# Altium PCB DM1090FFC.PcbDoc (part 4 of 4)
Units mm, origin at the board's own origin, x right, y up, seen from the top; angles counter-clockwise.
Board outline 60 x 40 mm, 4 copper layers (Top Copper, Signal Layer 1, Layer 1, Bottom Layer), stack 1.602 mm thick; 129 components, 113 nets, 573 pads, 444 vias.
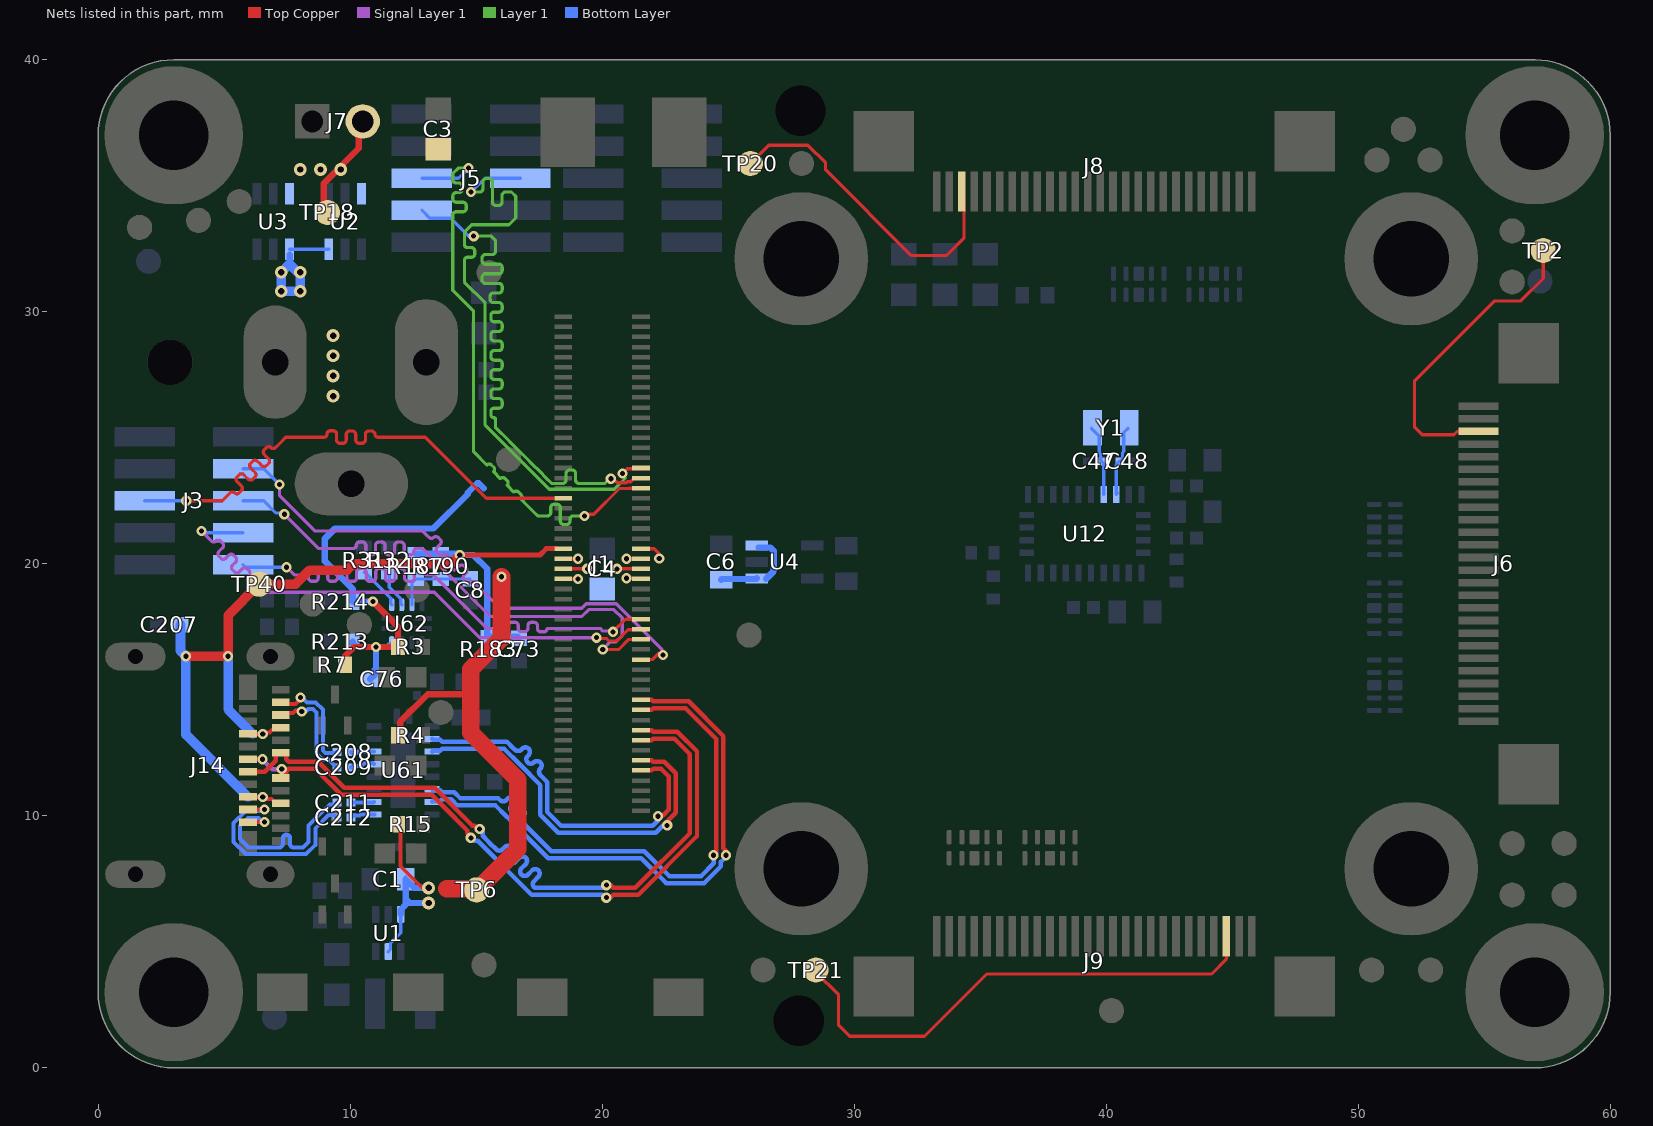
[diagram p6: the nets of this part, all layers, seen from the top]

## Via types
v1: diameter 0.406, hole 0.203, Top Copper to Bottom Layer, tented both sides, 378 vias
v2: diameter 0.508, hole 0.254, Top Copper to Bottom Layer, tented both sides, 47 vias
v3: diameter 0.508, hole 0.254, Top Copper to Bottom Layer, 16 vias
v4: diameter 0.406, hole 0.203, Top Copper to Bottom Layer, 3 vias

## Nets (pads, with @x,y where several pads share a name; then routed paths per layer and width w, separated by ;. In a path a pad name is that pad's centre, name@x,y a point inside that pad or via, vN(x,y) a via of type N, cw(c..) or ccw(c..) an arc to the next point about the centre after c; other vN are vias at no path point) (continued)
SD_HST0_CMD: J1.63 J3.5 | length 22.7
  Top Copper w0.127: v1(3.5,22.5) 4.926,22.5 5.061,22.635 5.245,22.819 cw(c5.33,22.733) 5.415,22.819 ccw(c5.51,22.913) 5.604,22.819 5.685,22.9 ccw(c5.59,22.994) 5.685,23.088 5.599,23.174 5.514,23.259 cw(c5.608,23.353) 5.514,23.447 5.595,23.528 cw(c5.689,23.434) 5.783,23.528 5.869,23.443 5.954,23.358 ccw(c6.048,23.452) 6.143,23.358 6.223,23.438 ccw(c6.129,23.533) 6.223,23.627 6.138,23.712 6.053,23.798 cw(c6.147,23.892) 6.053,23.986 6.134,24.067 cw(c6.228,23.973) 6.322,24.067 6.408,23.982 6.493,23.896 ccw(c6.587,23.991) 6.681,23.896 6.762,23.977 ccw(c6.668,24.072) 6.762,24.166 6.677,24.251 6.592,24.336 cw(c6.686,24.431) 6.592,24.525 6.672,24.606 cw(c6.767,24.512) 6.861,24.606 ccw(c6.946,24.691) 7.032,24.606 7.2,24.774 7.449,25.023 8.89,25.023 8.96,25.023 ccw(c8.96,25.143) 9.08,25.143 cw(c9.214,25.143) 9.214,25.277 9.328,25.277 cw(c9.328,25.143) 9.461,25.143 9.461,25.023 9.461,24.913 ccw(c9.595,24.913) 9.595,24.78 9.709,24.78 ccw(c9.709,24.913) 9.842,24.913 9.842,25.023 9.842,25.132 cw(c9.976,25.132) 9.976,25.266 10.09,25.266 cw(c10.09,25.132) 10.223,25.132 10.223,25.023 10.223,24.913 ccw(c10.357,24.913) 10.357,24.78 10.471,24.78 ccw(c10.471,24.913) 10.604,24.913 10.604,25.023 10.604,25.132 cw(c10.738,25.132) 10.738,25.266 10.852,25.266 cw(c10.852,25.132) 10.985,25.132 ; 10.985,25.135 10.985,25.141 ; 10.985,25.143 ccw(c11.106,25.143) 11.106,25.023 11.35,25.023 12.984,25.023 15.407,22.6 J1.63@18.46,22.6
  Bottom Layer w0.127: J3.5@1.85,22.5 v1(3.5,22.5)
SD_HST0_D0: J1.40 J3.2 | length 22.8
  Top Copper w0.127: v1(20.425,17.3) 20.925,17.8 J1.40@21.54,17.8 J1.40@21.565,17.8
  Signal Layer 1 w0.127: v1(7.474,19.863) 7.779,19.558 7.969,19.558 8.23,19.558 cw(c8.23,19.437) 8.35,19.437 ccw(c8.484,19.437) 8.484,19.304 8.598,19.304 ccw(c8.598,19.437) 8.731,19.437 8.731,19.558 8.731,19.678 cw(c8.865,19.678) 8.865,19.812 8.979,19.812 cw(c8.979,19.678) 9.112,19.678 9.112,19.558 9.112,19.437 ccw(c9.246,19.437) 9.246,19.304 9.36,19.304 ccw(c9.36,19.437) 9.493,19.437 9.493,19.558 9.493,19.678 cw(c9.627,19.678) 9.627,19.812 9.741,19.812 cw(c9.741,19.678) 9.874,19.678 9.874,19.558 9.874,19.437 ccw(c10.008,19.437) 10.008,19.304 10.122,19.304 ccw(c10.122,19.437) 10.255,19.437 10.255,19.558 10.255,19.678 cw(c10.389,19.678) 10.389,19.812 10.503,19.812 cw(c10.503,19.678) 10.636,19.678 10.636,19.558 10.636,19.437 ccw(c10.77,19.437) 10.77,19.304 10.884,19.304 ccw(c10.884,19.437) 11.017,19.437 11.017,19.558 11.017,19.678 cw(c11.151,19.678) 11.151,19.812 11.265,19.812 cw(c11.265,19.678) 11.398,19.678 11.398,19.558 11.398,19.437 ccw(c11.532,19.437) 11.532,19.304 11.646,19.304 ccw(c11.646,19.437) 11.779,19.437 11.779,19.558 11.779,19.678 cw(c11.913,19.678) 11.913,19.812 12.027,19.812 cw(c12.027,19.678) 12.16,19.678 12.16,19.558 12.16,19.437 ccw(c12.294,19.437) 12.294,19.304 12.408,19.304 ccw(c12.408,19.437) 12.541,19.437 12.541,19.558 12.541,19.678 cw(c12.675,19.678) 12.675,19.812 12.789,19.812 cw(c12.789,19.678) 12.922,19.678 ccw(c13.043,19.678) 13.043,19.558 13.1,19.558 13.298,19.558 15.419,17.437 16.1,17.437 16.181,17.437 ccw(c16.181,17.546) 16.291,17.546 cw(c16.424,17.546) 16.424,17.68 16.538,17.68 cw(c16.538,17.546) 16.672,17.546 16.672,17.437 16.672,17.433 ccw(c16.805,17.433) 16.805,17.3 16.919,17.3 ccw(c16.919,17.433) 17.053,17.433 17.053,17.437 17.053,17.544 cw(c17.186,17.544) 17.186,17.677 17.3,17.677 cw(c17.3,17.544) 17.434,17.544 17.434,17.437 17.434,17.433 ccw(c17.567,17.433) 17.567,17.3 17.681,17.3 ccw(c17.681,17.433) 17.815,17.433 17.815,17.437 18.701,17.437 19.925,17.437 20.031,17.33 20.395,17.33 v1(20.425,17.3)
  Bottom Layer w0.127: J3.2@5.75,19.96 5.847,19.863 v1(7.474,19.863)
SD_HST0_D1: J1.38 J3.4 | length 22.8
  Top Copper w0.127: v1(19.772,17.068) 19.803,17.038 20.166,17.038 20.272,16.932 20.578,16.932 21.024,17.379 21.544,17.379 J1.38@21.565,17.4
  Signal Layer 1 w0.127: v1(4.1,21.3) 4.45,20.95 4.499,20.901 ccw(c4.585,20.986) 4.67,20.901 cw(c4.764,20.806) 4.859,20.901 4.939,20.82 cw(c4.845,20.725) 4.939,20.631 4.854,20.546 4.793,20.485 ccw(c4.888,20.391) 4.793,20.297 4.874,20.216 ccw(c4.968,20.31) 5.063,20.216 5.124,20.276 5.184,20.337 cw(c5.279,20.243) 5.373,20.337 5.454,20.256 cw(c5.359,20.162) 5.454,20.068 5.393,20.007 5.332,19.946 ccw(c5.426,19.852) 5.332,19.758 5.413,19.677 ccw(c5.507,19.771) 5.602,19.677 5.662,19.738 5.723,19.798 cw(c5.817,19.704) 5.912,19.798 5.992,19.718 cw(c5.898,19.623) 5.992,19.529 ; 5.998,19.534 6.012,19.548 ; 6.017,19.554 ccw(c6.102,19.468) 6.017,19.383 6.072,19.328 6.532,18.868 13.336,18.868 15.136,17.068 v1(19.772,17.068)
  Bottom Layer w0.127: v1(4.1,21.3) 4.16,21.3 4.23,21.23 J3.4@5.75,21.23
SD_HST0_D2: J1.36 J3.6 | length 22.8
  Top Copper w0.127: v1(20.025,16.6) 20.654,16.6 21.054,17 J1.36@21.54,17 J1.36@21.565,17
  Signal Layer 1 w0.127: v1(7.389,21.963) 8.742,20.61 10.05,20.61 10.12,20.61 ccw(c10.12,20.73) 10.241,20.73 cw(c10.374,20.73) 10.374,20.864 10.488,20.864 cw(c10.488,20.73) 10.622,20.73 10.622,20.61 10.622,20.494 ccw(c10.755,20.494) 10.755,20.36 10.869,20.36 ccw(c10.869,20.494) 11.003,20.494 11.003,20.61 11.003,20.726 cw(c11.136,20.726) 11.136,20.859 11.25,20.859 cw(c11.25,20.726) 11.384,20.726 11.384,20.61 11.384,20.494 ccw(c11.517,20.494) 11.517,20.36 11.631,20.36 ccw(c11.631,20.494) 11.765,20.494 11.765,20.61 11.765,20.726 cw(c11.898,20.726) 11.898,20.859 12.012,20.859 cw(c12.012,20.726) 12.146,20.726 12.146,20.61 12.146,20.494 ccw(c12.279,20.494) 12.279,20.36 12.393,20.36 ccw(c12.393,20.494) 12.527,20.494 ; 12.527,20.489 cw(c12.647,20.489) 12.647,20.61 12.81,20.61 12.856,20.61 15.558,17.908 19.19,17.908 19.466,18.184 20.462,18.184 20.793,17.853 20.793,17.147 20.546,16.9 20.325,16.9 v1(20.025,16.6) ; 12.527,20.49 12.527,20.493
  Bottom Layer w0.127: J3.6@5.75,22.5 6.57,22.5 7.053,22.017 7.336,22.017 v1(7.389,21.963)
SD_HST0_D3: J1.32 J3.8 | length 22.7
  Top Copper w0.127: J1.32@21.565,16.2 21.987,16.2 22.241,16.454 22.259,16.436 22.364,16.436 v1(22.418,16.382)
  Signal Layer 1 w0.127: v1(7.199,23.15) 7.199,22.706 8.609,21.297 12.881,21.297 13.086,21.092 13.135,21.043 ccw(c13.221,21.128) 13.306,21.043 cw(c13.4,20.948) 13.495,21.043 13.575,20.962 cw(c13.481,20.868) 13.575,20.773 13.49,20.688 13.45,20.648 ccw(c13.544,20.553) 13.45,20.459 13.53,20.378 ccw(c13.625,20.472) 13.719,20.378 ; 13.674,20.333 cw(c13.759,20.248) 13.845,20.333 13.944,20.234 cw(c13.858,20.149) 13.944,20.064 ccw(c14.038,19.97) 13.944,19.875 14.024,19.794 ccw(c14.119,19.889) 14.213,19.794 14.298,19.88 14.331,19.913 cw(c14.425,19.818) 14.52,19.913 14.6,19.832 cw(c14.506,19.737) 14.6,19.643 14.568,19.61 14.527,19.57 ccw(c14.622,19.476) 14.527,19.381 14.608,19.301 ccw(c14.702,19.395) 14.797,19.301 ; 13.693,20.352 13.7,20.359 ; 14.752,19.256 cw(c14.837,19.17) 14.922,19.256 15.1,19.078 15.946,18.232 19.19,18.232 19.371,18.413 20.556,18.413 22.377,16.592 22.377,16.424 v1(22.418,16.382) ; 14.771,19.275 14.777,19.281
  Bottom Layer w0.127: J3.8@5.75,23.77 6.57,23.77 7.19,23.15 v1(7.199,23.15)
SPI_SIO2: J1.66 J5.6 | length 25.3
  Top Copper w0.127: v1(19.3,21.9) 19.368,21.968 19.668,21.968 20.686,22.986 21.053,22.986 21.067,23 J1.66@21.54,23
  Layer 1 w0.127: v1(14.7,35.7) 14.287,35.7 14.075,35.487 14.075,35.3 14.075,35.243 ccw(c14.208,35.243) 14.208,35.11 14.311,35.11 cw(c14.311,34.976) 14.444,34.976 14.444,34.862 cw(c14.311,34.862) 14.311,34.729 14.208,34.729 ccw(c14.208,34.595) 14.075,34.595 14.075,34.481 ccw(c14.208,34.481) 14.208,34.348 14.475,34.348 cw(c14.475,34.214) 14.608,34.214 14.608,34.1 cw(c14.475,34.1) 14.475,33.967 14.208,33.967 ccw(c14.208,33.833) 14.075,33.833 14.075,33.586 14.075,33.205 14.075,33.168 14.075,30.848 14.897,30.026 14.897,24.596 14.897,24.444 15.421,23.921 cw(c15.515,23.826) 15.61,23.921 15.691,23.84 cw(c15.596,23.745) 15.691,23.651 15.96,23.382 cw(c16.054,23.287) 16.149,23.382 16.229,23.301 cw(c16.135,23.207) 16.229,23.112 16.499,22.843 cw(c16.593,22.749) 16.687,22.843 16.768,22.762 cw(c16.674,22.668) 16.768,22.574 17.038,22.304 17.307,22.035 17.442,21.9 17.578,21.9 17.826,21.9 ccw(c17.826,22.033) 17.959,22.033 17.959,22.231 cw(c18.093,22.231) 18.093,22.364 18.207,22.364 cw(c18.207,22.231) 18.34,22.231 18.34,21.9 18.34,21.691 ccw(c18.474,21.691) 18.474,21.558 18.588,21.558 ccw(c18.588,21.691) 18.721,21.691 18.721,21.767 cw(c18.855,21.767) 18.855,21.9 18.912,21.9 v1(19.3,21.9)
  Bottom Layer w0.127: J5.6@12.85,35.3 14.3,35.3 v1(14.7,35.7)
SPI_SIO3: J1.68 J5.8 | length 25.6
  Top Copper w0.127: v1(20.344,23.376) 20.434,23.376 20.594,23.215 20.958,23.215 20.998,23.255 21.135,23.255 21.28,23.4 J1.68@21.54,23.4
  Layer 1 w0.127: v1(14.9,33) 15.606,33 15.765,32.841 15.765,32.651 15.765,32.403 cw(c15.632,32.403) 15.632,32.27 15.366,32.27 ccw(c15.366,32.136) 15.232,32.136 15.232,32.022 ccw(c15.366,32.022) 15.366,31.889 15.765,31.889 15.9,31.889 cw(c15.9,31.755) 16.033,31.755 16.033,31.641 cw(c15.9,31.641) 15.9,31.508 15.765,31.508 15.366,31.508 ccw(c15.366,31.374) 15.232,31.374 15.232,31.26 ccw(c15.366,31.26) 15.366,31.127 15.765,31.127 15.9,31.127 cw(c15.9,30.993) 16.033,30.993 16.033,30.879 cw(c15.9,30.879) 15.9,30.746 15.765,30.746 15.687,30.746 ccw(c15.687,30.612) 15.554,30.612 15.554,30.498 ccw(c15.687,30.498) 15.687,30.365 15.765,30.365 15.9,30.365 cw(c15.9,30.231) 16.033,30.231 16.033,30.117 cw(c15.9,30.117) 15.9,29.984 15.765,29.984 15.717,29.984 ccw(c15.717,29.85) 15.584,29.85 15.584,29.736 ccw(c15.717,29.736) 15.717,29.603 15.765,29.603 15.9,29.603 cw(c15.9,29.469) 16.033,29.469 16.033,29.355 cw(c15.9,29.355) 15.9,29.222 15.765,29.222 15.717,29.222 ccw(c15.717,29.088) 15.584,29.088 15.584,28.974 ccw(c15.717,28.974) 15.717,28.841 15.765,28.841 15.9,28.841 cw(c15.9,28.707) 16.033,28.707 16.033,28.593 cw(c15.9,28.593) 15.9,28.46 15.765,28.46 15.717,28.46 ccw(c15.717,28.326) 15.584,28.326 15.584,28.212 ccw(c15.717,28.212) 15.717,28.079 15.765,28.079 15.9,28.079 cw(c15.9,27.945) 16.033,27.945 16.033,27.831 cw(c15.9,27.831) 15.9,27.698 15.765,27.698 15.717,27.698 ccw(c15.717,27.564) 15.584,27.564 15.584,27.45 ccw(c15.717,27.45) 15.717,27.317 15.765,27.317 15.9,27.317 cw(c15.9,27.183) 16.033,27.183 16.033,27.069 cw(c15.9,27.069) 15.9,26.936 15.765,26.936 15.717,26.936 ccw(c15.717,26.802) 15.584,26.802 15.584,26.688 ccw(c15.717,26.688) 15.717,26.555 15.765,26.555 15.9,26.555 cw(c15.9,26.421) 16.033,26.421 16.033,26.307 cw(c15.9,26.307) 15.9,26.174 15.765,26.174 15.717,26.174 ccw(c15.717,26.04) 15.584,26.04 15.584,25.926 ccw(c15.717,25.926) 15.717,25.793 ; 15.716,25.793 cw(c15.716,25.744) 15.765,25.744 15.765,25.415 15.9,25.281 16.169,25.011 16.438,24.742 16.708,24.472 16.977,24.203 17.247,23.934 17.516,23.664 17.785,23.395 17.994,23.186 18.185,23.186 18.432,23.186 ccw(c18.432,23.32) 18.566,23.32 18.566,23.585 cw(c18.699,23.585) 18.699,23.719 18.813,23.719 cw(c18.813,23.585) 18.947,23.585 18.947,23.32 ccw(c19.08,23.32) 19.08,23.186 19.328,23.186 19.709,23.186 20.081,23.186 20.111,23.186 20.3,23.376 v1(20.344,23.376)
  Bottom Layer w0.127: J5.8@12.85,34.03 13.167,33.713 13.986,33.713 14.7,33 v1(14.9,33)
SPI_SS_0: J1.70 J5.5 | length 25.4
  Top Copper w0.127: v1(20.806,23.583) 20.996,23.774 21.514,23.774 J1.70@21.54,23.8
  Layer 1 w0.127: v1(14.8,34.75) 15.076,34.75 15.133,34.75 ccw(c15.133,34.883) 15.267,34.883 15.267,35.15 cw(c15.4,35.15) 15.4,35.283 15.514,35.283 cw(c15.514,35.15) 15.648,35.15 15.648,34.75 15.648,34.35 ccw(c15.781,34.35) 15.781,34.217 15.895,34.217 ccw(c15.895,34.35) 16.029,34.35 16.029,34.617 cw(c16.162,34.617) 16.162,34.75 16.403,34.75 16.574,34.579 16.574,33.72 16.304,33.45 14.829,33.45 14.532,33.153 14.532,32.735 14.532,32.678 ccw(c14.665,32.678) 14.665,32.544 14.811,32.544 cw(c14.811,32.411) 14.944,32.411 14.944,32.297 cw(c14.811,32.297) 14.811,32.163 14.665,32.163 ccw(c14.665,32.03) 14.532,32.03 14.532,31.9 14.532,31.176 15.355,30.353 15.355,25.502 17.899,22.958 20.478,22.958 20.925,23.404 20.81,23.518 20.81,23.579 v1(20.806,23.583)
  Bottom Layer w0.127: v1(14.8,34.75) 15.35,35.3 J5.5@16.75,35.3
STROBE1: J8.24 TP20.1 | length 12.7
  Top Copper w0.127: TP20.1@25.88,35.88 26.61,36.61 28.164,36.61 28.867,35.907 28.867,35.633 32.27,32.23 33.65,32.23 34.36,32.94 34.36,33.762 34.357,33.766 34.357,34.486 J8.24@34.27,34.573
STROBE2: J9.24 TP21.1 | length 20.3
  Top Copper w0.127: TP21.1@28.48,3.88 28.48,3.792 29.38,2.892 29.38,1.69 29.82,1.25 32.79,1.25 35.264,3.724 44.18,3.724 44.77,4.314 J9.24@44.77,5.227
STROBE3: J6.24 TP2.1 | length 12.2
  Top Copper w0.127: J6.24@54.57,25.25 53.92,25.25 53.79,25.12 52.54,25.12 52.23,25.43 52.23,27.24 55.42,30.43 56.45,30.43 57.34,31.32 TP2.1@57.34,32.43
TXB1_N: C209.2 U61.16 | length 1
  Bottom Layer w0.158: C209.2@10.03,11.925 10.085,11.98 10.447,11.98 10.563,12.095 10.905,12.095 U61.16@10.95,12.05
TXB1_P: C208.2 U61.17 | length 1
  Bottom Layer w0.158: C208.2@10.03,12.525 10.068,12.487 10.257,12.487 10.32,12.55 U61.17@10.95,12.55
TXB_N: C209.1 J14.A3 | length 4.2
  Top Copper w0.158: J14.A3@7.25,14 7.321,14.071 7.729,14.071 7.829,14.171 8.045,14.171 v1(8.078,14.138)
  Bottom Layer w0.158: v1(8.078,14.138) 8.125,14.186 8.282,14.186 8.331,14.235 8.522,14.235 8.656,14.101 8.656,12.491 8.905,12.241 9.134,12.241 9.45,11.925 C209.1@9.47,11.925
TXB_P: C208.1 J14.A2 | length 4.3
  Top Copper w0.158: J14.A2@7.25,14.5 7.319,14.431 7.829,14.431 8.026,14.628 v1(8.026,14.694)
  Bottom Layer w0.158: v1(8.026,14.694) 8.094,14.694 8.292,14.495 8.629,14.495 8.915,14.209 8.915,12.598 9.013,12.501 9.446,12.501 C208.1@9.47,12.525
TXC1_N: C212.2 U61.12 | length 1
  Bottom Layer w0.158: C212.2@10.03,9.925 10.111,10.006 10.369,10.006 10.413,10.05 U61.12@10.95,10.05 U61.12@10.97,10.05
TXC1_P: C211.2 U61.13 | length 0.9
  Bottom Layer w0.158: C211.2@10.03,10.525 10.925,10.525 U61.13@10.95,10.55
TXC_N: C212.1 J14.B3 | length 8.2
  Top Copper w0.158: J14.B3@5.95,10.25 5.951,10.249 6.603,10.249 v1(6.604,10.248)
  Bottom Layer w0.158: v1(6.604,10.248) 6.556,10.2 5.862,10.2 5.375,9.713 5.375,8.965 5.861,8.478 8.244,8.478 8.616,8.85 8.616,9.502 9.146,10.032 9.277,10.032 9.302,10.006 9.389,10.006 C212.1@9.47,9.925
TXC_P: C211.1 J14.B2 | length 8.2
  Top Copper w0.158: J14.B2@5.95,9.75 5.951,9.751 v1(6.604,9.752) v1(6.604,9.752)
  Bottom Layer w0.158: v1(6.604,9.752) 6.537,9.752 6.368,9.921 5.95,9.921 5.634,9.606 5.634,9.072 5.969,8.738 6.934,8.738 7.172,8.738 ccw(c7.172,8.896) 7.33,8.896 7.33,9.107 cw(c7.472,9.107) 7.615,9.107 7.615,8.896 ccw(c7.773,8.896) 7.773,8.738 8.137,8.738 8.357,8.957 8.357,9.61 9.191,10.445 9.39,10.445 C211.1@9.47,10.525
USB_CM: R31.1 U62.3 | length 1.8
  Bottom Layer w0.127: R31.1@10.55,19.65 10.6,19.65 11.614,18.636 11.614,18.411 U62.3@11.65,18.375
USB_D_N: J1.18 J14.A7 J14.B7 | length 27.6
  Top Copper w0.158: J14.B7@5.95,12.25 5.962,12.238 6.515,12.238 6.518,12.242 v1(6.518,12.246)
  Top Copper w0.178: v1(7.285,11.854) 7.444,11.694 J14.A7@7.25,11.5 7.402,11.5 7.463,11.561 7.463,11.756 7.568,11.86 8.622,11.86 9.653,10.829 13.237,10.829 13.966,10.1 14.388,9.678 14.649,9.417 14.649,9.326 14.789,9.187 v1(14.789,9.125) ; v1@20.35,6.767 20.443,6.861 21.426,6.861 23.763,9.198 23.763,12.562 22.985,13.34 22.017,13.34 21.958,13.399 21.541,13.399 J1.18@21.54,13.4
  Signal Layer 1 w0.178: v1(6.518,12.246) 6.518,12.235 6.548,12.205 6.548,12.197 6.82,11.925 6.829,11.934 6.916,11.847 6.923,11.854 v1(7.285,11.854)
  Bottom Layer w0.178: v1@14.924,9.005 15.061,9.005 17.206,6.861 19.996,6.861 20.104,6.753 v1(20.166,6.753)
USB_D_P: J1.16 J14.A6 J14.B6 | length 29.2
  Top Copper w0.178: J14.B6@5.95,11.75 6.612,11.75 7.05,12.187 7.05,12.439 7.111,12.5 J14.A6@7.25,12.5 7.402,12.5 7.463,12.439 7.463,12.244 7.568,12.14 8.738,12.14 9.768,11.109 13.352,11.109 14.847,9.614 14.938,9.614 15.077,9.475 v1(15.139,9.475) ; v1(20.166,7.248) 20.335,7.248 20.443,7.14 21.31,7.14 23.483,9.313 23.483,12.446 22.869,13.06 22.017,13.06 21.958,13.001 J1.16@21.541,13.001 ; J1.16@21.54,13 J1.16@21.541,13.001
  Bottom Layer w0.178: v1(15.139,9.475) 15.259,9.355 15.259,9.203 15.482,8.979 15.545,8.917 15.792,8.669 ccw(c15.918,8.795) 16.043,8.669 16.129,8.755 cw(c16.254,8.629) 16.38,8.503 16.295,8.418 ccw(c16.42,8.292) 16.295,8.167 ccw(c16.42,8.292) 16.546,8.167 16.715,8.335 cw(c16.84,8.209) 16.966,8.335 cw(c16.84,8.209) 16.966,8.084 16.798,7.915 ccw(c16.923,7.789) 16.798,7.664 ccw(c16.923,7.789) 17.049,7.664 17.217,7.832 cw(c17.343,7.706) 17.469,7.832 cw(c17.343,7.706) 17.469,7.581 17.3,7.412 ccw(c17.426,7.287) 17.3,7.161 17.321,7.14 17.783,7.14 19.996,7.14 20.104,7.248 v1(20.166,7.248)
USB_PORT: R32.1 U62.4 | length 1.5
  Bottom Layer w0.127: R32.1@11.55,19.65 11.55,19.071 12.014,18.607 12.014,18.411 U62.4@12.05,18.375
USB_RX_N: J1.12 U61.4 | length 15.2
  Top Copper w0.178: J1.12@21.54,12.2 21.541,12.199 21.958,12.199 22.017,12.14 22.466,12.14 22.914,11.691 22.914,10.119 22.622,9.827 22.622,9.665 v1(22.578,9.622)
  Bottom Layer w0.178: U61.4@13.25,12.55 13.286,12.586 13.574,12.586 13.648,12.66 16.106,12.66 16.707,12.06 17.547,11.22 17.547,10.038 18.253,9.331 22.126,9.331 v1@22.424,9.629
USB_RX_P: J1.10 U61.3 | length 15.2
  Top Copper w0.178: J1.10@21.54,11.8 21.541,11.801 21.958,11.801 22.017,11.86 22.35,11.86 22.635,11.575 22.635,10.235 22.425,10.025 22.263,10.025 v1(22.219,9.981)
  Bottom Layer w0.178: U61.3@13.25,13.05 13.286,13.014 13.574,13.014 13.648,12.94 16.222,12.94 16.476,12.686 16.539,12.623 ccw(c16.664,12.749) 16.79,12.623 16.83,12.664 cw(c16.956,12.538) 17.082,12.664 cw(c16.956,12.538) 17.082,12.412 17.042,12.372 ccw(c17.167,12.246) 17.041,12.12 ccw(c17.167,12.246) 17.293,12.12 cw(c17.419,11.995) 17.544,12.12 cw(c17.419,11.995) 17.544,11.869 ccw(c17.67,11.743) 17.544,11.618 17.763,11.399 17.826,11.336 17.826,10.153 18.369,9.61 22.01,9.61 v1@22.226,9.826
USB_TX_N: J1.24 U61.8 | length 22.3
  Top Copper w0.178: v1@24.9,8.469 24.9,8.62 24.808,8.712 24.808,13.163 23.431,14.54 22.017,14.54 21.958,14.599 J1.24@21.541,14.599 ; J1.24@21.54,14.6 J1.24@21.541,14.599
  Bottom Layer w0.178: U61.8@13.25,10.55 13.286,10.586 13.574,10.586 13.648,10.66 14.012,10.66 14.262,10.41 15.768,10.41 16.172,10.006 16.348,9.83 17.858,8.32 21.55,8.32 22.459,7.411 22.541,7.329 24.043,7.329 24.712,7.998 24.712,8.17 24.916,8.373 v1(24.916,8.435)
USB_TX_P: J1.22 U61.7 | length 22.3
  Top Copper w0.178: J1.22@21.54,14.2 21.541,14.201 21.958,14.201 22.017,14.26 23.316,14.26 24.32,13.256 24.528,13.048 24.528,8.604 24.522,8.598 24.522,8.537 v1(24.42,8.435)
  Bottom Layer w0.178: U61.7@13.25,11.05 13.286,11.014 13.574,11.014 13.648,10.94 14.128,10.94 14.378,10.69 15.883,10.69 15.946,10.627 ccw(c16.072,10.753) 16.198,10.627 16.258,10.687 cw(c16.366,10.58) 16.474,10.687 cw(c16.366,10.58) 16.474,10.472 16.395,10.393 ccw(c16.503,10.286) 16.395,10.178 ccw(c16.503,10.286) 16.611,10.178 16.652,10.219 cw(c16.759,10.111) 16.867,10.003 16.844,9.98 ccw(c16.97,9.854) 16.844,9.729 17.161,9.412 17.224,9.35 17.974,8.599 21.666,8.599 22.657,7.608 23.928,7.608 24.433,8.114 24.433,8.422 v1(24.42,8.435)
VBUS: C73.2 C207.2 J1.53 J14.A4 J14.A9 J14.B4 J14.B9 R183.2 R187.1 R190.1 TP40.1 U2.3 U3.1 | length 45
  Top Copper w0.152: J14.B4@5.948,10.752 J14.B4@5.95,10.75 v1(6.534,10.75) 6.603,10.75 6.685,10.668 6.887,10.668 6.976,10.579 6.976,10.574 7.05,10.5 J14.A9@7.25,10.5 J14.A9@7.176,10.574
  Top Copper w0.158: J14.B9@5.95,13.25 v1(6.534,13.25) 6.582,13.298 6.792,13.298 6.924,13.429 7.179,13.429 J14.A4@7.25,13.5
  Top Copper w0.203: v1(14.35,20.35) 17.53,20.35 17.78,20.6 J1.53@18.212,20.6
  Top Copper w0.381: v1(3.48,16.332) v1(5.156,16.332) 5.156,17.956 TP40.1@6.39,19.19 7.836,19.19 8.392,19.746 9.877,19.746 10.131,20 14,20 v1(14.35,20.35)
  Bottom Layer w0.127: 5.948,10.752 5.95,10.75 v1(6.534,10.75) ; 6.13,13.25 v1(6.534,13.25) ; U3.1@7.6,32.48 U2.3@9.15,32.48 ; v2@7.933,31.565 v2(8.017,31.565)
  Bottom Layer w0.254: 7.6,31.898 U3.1@7.6,32.263 ; R187.1@12.6,20.4 14.3,20.4 v1(14.35,20.35) 14.891,20.35 15.434,19.807 15.434,17.166 R183.2@15.5,17.1 16.65,17.1 C73.2@16.7,17.05
  Bottom Layer w0.381: C207.2@3.269,17.577 3.269,16.546 3.48,16.336 3.48,13.22 5.948,10.752 ; v1(5.156,16.332) 5.156,14.224 6.13,13.25 ; v2@7.933,31.565 7.6,31.898 v2(7.267,31.565) v2(7.267,30.815) v2(8.017,30.815) v2(8.017,31.565)
VBUS_DET: C8.2 R187.2 R190.2 U62.5 | length 3.2
  Bottom Layer w0.127: U62.5@12.45,18.375 12.45,19.25 R187.2@12.6,19.4 R190.2@13.6,19.4 C8.2@14.76,19.4
VDD_5V: C1.2 C3.2 C4.2 C6.2 C76.2 J1.47 J1.48 J1.49 J1.50 J1.51 J1.52 J1.54 J7.P2 R3.2 R4.2 R7.2 R15.2 R213.2 R214.2 TP6.1 TP18.1 U1.3 U1.5 U2.6 U3.6 U4.1 U4.3 U62.12 | length 59.9
  Top Copper w0.127: 14.755,14.765 14.76,14.76 ; J1.47@18.435,19.4 J1.47@18.46,19.4 v1(19.038,19.4) ; J1.49@18.435,19.8 J1.49@18.46,19.8 v1(19.413,19.8) ; J1.51@18.435,20.2 J1.51@18.46,20.2 v1(19.038,20.2) ; v1(20.587,19.8) J1.50@21.54,19.8 J1.50@21.565,19.8 ; v1(20.962,19.427) 20.976,19.413 21.527,19.413 J1.48@21.54,19.4 ; v1(20.962,20.2) J1.52@21.54,20.2 J1.52@21.565,20.2 ; J1.54@21.54,20.6 22.07,20.6 22.265,20.405 v1(22.265,20.215)
  Top Copper w0.152: R15.2@11.9,9.658 12,9.558 12,8 v2@12.96,7.04
  Top Copper w0.254: TP18.1@8.95,33.8 8.95,35.087 10.348,36.485 10.348,37.398 J7.P2@10.5,37.55 ; R7.2@9.8,16 9.8,16.351 10.149,16.7 v1(11.024,16.7) R3.2@11.9,16.7 ; v1(10.9,18.5) 11.9,17.5 R3.2@11.9,16.7 ; R4.2@11.9,13.2 11.992,13.292 11.992,13.739 13.081,14.829 14.78,14.829 ; R3.2@12,16.6 R3.2@11.9,16.7
  Top Copper w0.7: 13.84,7.11 15.078,7.11 16.645,8.677 16.645,11.435 14.78,13.3 14.78,14.765 14.78,15.81 16.003,17.033 v1(16.003,19.486)
  Bottom Layer w0.127: U1.5@11.51,4.61 11.596,4.696 11.596,4.937 12.01,5.35 U1.3@12.01,6.09 ; U62.12@11.623,16.752 11.65,16.779 U62.12@11.65,16.875 ; C1.2@12.2,7.48 C1.2@12.2,7.58
  Bottom Layer w0.254: R213.2@10.1,16.9 10.1,16.85 10.248,16.702 10.298,16.702 10.3,16.7 v1(11.024,16.7) ; C76.2@10.8,15.425 10.983,15.608 10.983,15.8 11.024,15.841 v1(11.024,16.7) ; v1(10.9,18.5) R214.2@10.1,18.5 10.1,19 9,20.1 9,21 9.4,21.4 13.3,21.4 14.663,22.763 14.663,22.813 15.05,23.2 15.1,23.2 15.3,23 ; U62.12@11.623,16.752 11.527,16.752 11.475,16.7 v1(11.024,16.7) ; U1.3@12.01,6.09 12.01,6.275 12.2,6.465 C1.2@12.2,7.48 12.539,7.141 v2@13.106,7.141 ; 12.25,6.66 12.369,6.541 v2(13.114,6.541) ; C6.2@24.722,19.371 24.747,19.396 26.112,19.396 U4.1@26.137,19.421 ; U4.3@26.21,20.648 26.667,20.648 26.816,20.499 26.816,19.776 26.797,19.758 26.797,19.694 U4.1@26.5,19.396
  other v2: 13.114,7.141 9.322,26.653 9.322,27.453 9.322,28.254 9.322,29.055 8.024,35.643 8.825,35.643 9.626,35.643
XIN: C48.2 U12.27 Y1.1 | length 3
  Bottom Layer w0.127: U12.27@40.447,22.799 U12.27@40.4,22.751 40.4,22.799 40.4,23.918 40.431,23.95 40.431,23.97 40.528,24.066 C48.2@40.548,24.066 40.554,24.066 40.651,24.163 40.651,24.417 40.699,24.465 40.699,25.208 Y1.1@40.87,25.38 ; C48.2@40.447,24.011 C48.2@40.495,24.059
XOUT: C47.2 U12.26 Y1.2 | length 2.8
  Bottom Layer w0.127: Y1.2@39.41,25.38 39.723,25.067 39.723,24.4 39.78,24.343 39.78,24.098 39.9,23.979 U12.26@39.9,22.751
pads on no net: FID1.1 FID2.1 FID3.1 FID4.1 FID5.1 FID6.1 J2. J4.3 J4.6 J4.8 J8.11 J8.12 J8.13 J8.14 J8.15 J9.11 J9.12 J9.13 J9.14 J9.15 J14.A8 J14.B8 U1.6 U4.4 U12.1 U12.7 U12.8 U12.12 U12.13 U12.21 U12.22 U12.23 U12.24 U62.9

## Polygon pours and split planes (outlines as drawn)
GND on Top Copper "L1_GND" (solid, remove dead copper, pour order 119): 0,3 0,37 cw(c3,37) 3,40 57,40 cw(c57,37) 60,37 60,3 cw(c57,3) 57,0 3,0 cw(c3,3)
VDD_5V on Top Copper "NONET_L-01_P-001" (solid, pour order 111): 10.107,38.561 7.35,35.805 7.35,35.185 8.6,33.935 8.6,26.452 9.186,25.866 11.177,25.866 11.747,26.436 11.747,33.251 14.591,36.095 14.608,38.233 14.28,38.561
VBUS on Top Copper "NONET_L-01_P-001" (solid, pour order 107): 4.285,32.055 0.879,28.649 0.879,19.068 3.05,16.896 3.05,16.165 3.615,15.6 5.3,15.6 5.611,15.911 5.611,17.789 4.025,19.375 2.679,19.375 2.354,19.701 2.354,23.854 5.061,26.561 5.061,29.424 6.102,30.465 8.313,30.465 8.75,30.902 8.75,31.755 8.45,32.055
VDD_5V on Top Copper "VDD_5V_L01_P096" (solid, remove dead copper, pour order 96): 13.55,8.08 12.86,8.08 12.51,7.73 12.51,6.5 12.84,6.17 13.64,6.17 14.42,6.95 14.42,7.21
5V_IN on Top Copper "NONET_L-01_P-001" (solid, pour order 97): 14.35,25.5 14.7,25.85 14.7,31.023 15.621,31.945 16.457,31.945 17.824,33.312 17.824,38.454 16.61,38.454 11.176,33.02 11.176,26.167 11.843,25.5
GND on Bottom Layer "L4_GND" (solid, remove dead copper, pour order 117): 0,3 0,37 cw(c3,37) 3,40 57,40 cw(c57,37) 60,37 60,3 cw(c57,3) 57,0 3,0 cw(c3,3)
VDD_5V on Bottom Layer "VDD_5V_L04_P114" (solid, remove dead copper, pour order 114): 19.177,17.12 20.209,18.151 24.071,18.151 24.91,18.99 24.91,20.256 24.063,20.256 24.063,21.077 21.94,23.2 14.415,23.2 14.415,19.11 16.405,17.12
VDD_5V on Bottom Layer "VDD_5V_L04_P108" (solid, remove dead copper, pour order 108): 14.661,20.35 14.661,20.85 12.302,20.85 10.05,23.2 8.275,24.425 8.275,28 7.35,28 7.35,35.9 9.708,35.9 9.708,38.342 11.292,38.342 11.292,32.708 11.708,32.292 11.708,26.299 14.357,23.65 17.292,23.65 17.742,23.2 17.742,20.35
VDD_5V on Bottom Layer "VDD_5V_L04_P105" (solid, remove dead copper, pour order 105): 21.3,20.6 18.7,20.6 18.7,19 21.3,19
NetR6_2 on Bottom Layer "NONET_L-01_P-001" (solid, pour order 103): 10.275,32.905 10.075,32.705 10.075,31.78 10.919,30.936 13.966,30.936 14.952,29.95 16.05,29.95 16.51,30.41 16.51,31.434 15.821,32.123 12.184,32.123 11.401,32.905
NetL1_1 on Bottom Layer "NETL1_1_L04_P100" (solid, pour order 100): 11.695,4.931 11.66,4.895 11.66,4.01 12.37,3.3 12.37,1.76 12.58,1.55 13.38,1.55 13.38,4 12.45,4.931
3V3 on Bottom Layer "3V3_L04_P101" (solid, remove dead copper, pour order 101): 11.38,1.55 10.51,1.55 9.841,2.219 9.841,3.441 10.17,3.77 11.38,3.77
GND on Bottom Layer "GND_L04_P104" (solid, remove dead copper, pour order 104): 19.5,20.15 20.5,20.15 20.61,20.49 21.2,20.556 21.2,21.696 18.777,21.696 18.777,20.682 19.39,20.49
GND on Signal Layer 1 "L2_GND" (solid, remove dead copper, pour order 120): 0,3 0,37 cw(c3,37) 3,40 57,40 cw(c57,37) 60,37 60,3 cw(c57,3) 57,0 3,0 cw(c3,3)
3V3 on Signal Layer 1 "3V3_L02_P098" (solid, remove dead copper, pour order 98): 10.94,4.26 9.14,4.26 8.11,3.23 8.11,1.36 8.98,0.49 47.64,0.49 49.28,2.13 49.28,8.62 45.65,12.25 45.65,18.74 50.81,23.9 54.82,23.9 57,26.08 57,34.21 52.48,38.73 34.11,38.73 31.91,36.53 31.91,33.02 32.3,32.63 45.48,32.63 48.51,29.6 48.51,26.34 46.34,24.17 42.89,24.17 41.74,23.02 41.74,20.54 42.56,19.72 42.56,18.72 40.14,16.3 40.14,7.22 39.02,6.1 12.78,6.1
1V8 on Signal Layer 1 "1V8_L02_P115" (solid, remove dead copper, pour order 115): 37.835,18.015 38.85,17 42.16,17 48.86,23.7 48.86,30.77 47.05,32.58 46.404,32.58 37.835,24.011
GND on Layer 1 "L3_GND" (solid, remove dead copper, pour order 99): 0,3 0,37 cw(c3,37) 3,40 57,40 cw(c57,37) 60,37 60,3 cw(c57,3) 57,0 3,0 cw(c3,3)

## Keep-outs
Top Copper:
  lines w0.254: 49.599,6.856 cw(c52.1,7.9) 53.125,10.408

## Silkscreen, mask and mechanical layers (free items; w line width, h text height)
Top Overlay:
  drawing of 7 lines, arcs and shapes, not listed
  text "-" at 5.369,38.738 h1.5
  text "+" at 13.086,38.619 h1.5
  text "CAM_L" at 49.54,37.96 h1.5
  text "BOT" at 51.64,35.17 h1 r180
  text "5V   FAN" at 6.162,32.897 h2
  text "CAM_C" at 59.874,29.699 h1.5 r90
  text ".project_title  / .revision" at 31.35,15.84 h2
  text "5V" at 10.5,13.4 h1.5
  text "PG" at 10.5,9.9 h1.5
  text "BOT" at 55.23,8.22 h1 r90
  text "RUN" at 10.5,6.4 h1.5
  text "BOT" at 27.99,4.8 h1
  text "BOOT" at 22.11,4.59 h1.5
  text "CAM_R" at 49.28,1.67 h1.5
  text "RST" at 13.17,0.64 h1.5
Bottom Overlay:
  drawing of 7 lines, arcs and shapes, not listed
  text "-" at 8.382,38.653 h1.5
  text "QSPI" at 17.551,38.611 h1
  text "AUX" at 24.296,38.608 h1
  text "+" at 10.177,38.511 h1.5
  text "SHUTTER SYNC" at 36.27,37.31 h1.25
  text "FSIN3" at 31.47,32.73 h1 r270
  text "FSIN2" at 33.1,32.73 h1 r270
  text "FSIN1" at 34.7,32.73 h1 r270
  text "uSD" at 6.418,25.4 h1
  text ".project_title  / .revision" at 46.95,7 h2
Board:
  the board outline again, w0.1
Fab Notes:
  drawing of 196 lines, arcs and shapes, not listed
  text "Layer" at 44.947,74.109 h1
  text "Name" at 49.132,74.109 h1
  text "Material" at 57.222,74.109 h1
  text "Thickness" at 64.494,74.109 h1
  text "Constant" at 70.466,74.109 h1
  text "Board Layer Stack" at 75.994,74.109 h1
  text "Top Overlay" at 49.132,72.109 h1
  text "Top Mask" at 49.132,70.109 h1
  text "Solder Resist" at 57.222,70.109 h1
  text "0,71mil" at 64.494,70.109 h1
  text "4.2" at 70.466,70.109 h1
  text "1" at 44.947,68.109 h1
  text "Top Copper" at 49.132,68.109 h1
  text "1,40mil" at 64.494,68.109 h1
  text "Dielectric 1" at 49.132,66.109 h1
  text "PP-021" at 57.222,66.109 h1
  text "7,09mil" at 64.494,66.109 h1
  text "4.2" at 70.466,66.109 h1
  text "2" at 44.946,64.109 h1
  text "Signal Layer 1" at 49.132,64.109 h1
  text "1,40mil" at 64.494,64.109 h1
  text "Core" at 49.132,62.109 h1
  text "Core-042" at 57.222,62.109 h1
  text "43,31mil" at 64.494,62.109 h1
  text "4.2" at 70.466,62.109 h1
  text "3" at 44.947,60.109 h1
  text "Layer 1" at 49.132,60.109 h1
  text "1,40mil" at 64.494,60.109 h1
  text "Dielectric 2" at 49.132,58.109 h1
  text "PP-021" at 57.222,58.109 h1
  text "7,09mil" at 64.494,58.109 h1
  text "4.2" at 70.466,58.109 h1
  text "4" at 44.947,56.109 h1
  text "Bottom Layer" at 49.132,56.109 h1
  text "1,40mil" at 64.494,56.109 h1
  text "Bottom Solder" at 49.132,54.109 h1
  text "Solder Resist" at 57.222,54.109 h1
  text "0,71mil" at 64.494,54.109 h1
  text "4.2" at 70.466,54.109 h1
  text "Bottom Overlay" at 49.132,52.109 h1
  text "Total board thickness:" at 44.947,50.109 h1
  text "64,50mil" at 64.494,50.109 h1
Drill Drawing:
  circle w0.254: c-7.73,72.457 r0.276
  circle w0.254: c-7.73,72.457 r0.46
  circle w0.254: c-7.73,62.106 r0.46
  lines w0.254: -9.051,52.743 33.533,52.743 ; -9.051,75.517 33.533,75.517 ; -3.738,50.673 -3.738,77.587 ; 1.159,50.673 1.159,77.587 ; 10.724,50.673 10.724,77.587 ; 14.844,50.673 14.844,77.587 ; 20.84,50.673 20.84,77.587 ; -9.051,50.673 33.533,50.673 33.533,77.587 -9.051,77.587 -9.051,50.673 ; -8.19,53.594 -7.96,53.594 -7.96,53.364 -7.5,53.364 -7.5,53.594 -7.27,53.594 -7.27,54.054 -7.5,54.054 -7.5,54.284 -7.96,54.284 -7.96,54.054 -8.19,54.054 -8.19,53.594 ; -8.19,55.665 -7.96,55.665 -7.73,55.435 -7.5,55.665 -7.27,55.665 -7.5,55.895 -7.27,56.125 -7.5,56.125 -7.73,56.355 -7.96,56.125 -8.19,56.125 -7.96,55.895 -8.19,55.665 ; -8.19,58.425 -7.27,58.425 -7.73,57.505 -8.19,58.425 ; -8.19,60.495 -7.27,60.495 -7.73,59.575 -8.19,60.495 ; -8.19,63.716 -7.27,63.716 -7.27,64.636 -8.19,64.636 -8.19,63.716 ; -8.19,65.786 -7.73,66.016 -7.27,65.786 -7.5,66.246 -7.27,66.706 -7.73,66.476 -8.19,66.706 -7.96,66.246 -8.19,65.786 ; -8.19,68.317 -7.73,67.856 -7.27,68.317 -7.73,68.777 -8.19,68.317 ; -8.19,69.927 -8.19,70.157 -7.96,70.387 -8.19,70.617 -8.19,70.847 -7.96,70.847 -7.73,70.617 -7.5,70.847 -7.27,70.847 -7.27,70.617 -7.5,70.387 -7.27,70.157 -7.27,69.927 -7.5,69.927 -7.73,70.157 -7.96,69.927 -8.19,69.927 ; -8.19,74.067 -7.27,74.067 -7.27,74.988 -8.19,74.988 -8.19,74.067 ; -8.006,58.241 -7.454,58.241 -7.73,57.689 -8.006,58.241 ; -8.006,74.251 -7.454,74.251 -7.454,74.803 -8.006,74.803 -8.006,74.251
  text "Symbol" at -7.809,76.138 h1.2
  text "Count" at -3.117,76.138 h1.2
  text "Hole Size" at 1.78,76.138 h1.2
  text "Plated" at 11.345,76.138 h1.2
  text "Hole Type" at 15.465,76.138 h1.2
  text "Drill Layer Pair" at 21.461,76.138 h1.2
  text "381" at -3.117,74.067 h1
  text "8,00mil (0,203mm)" at 1.78,74.067 h1
  text "PTH" at 11.345,74.067 h1
  text "Round" at 15.465,74.067 h1
  text "Top Copper - Bottom Layer" at 21.461,74.067 h1
  text "63" at -3.117,71.997 h1
  text "10,00mil (0,254mm)" at 1.78,71.997 h1
  text "PTH" at 11.345,71.997 h1
  text "Round" at 15.465,71.997 h1
  text "Top Copper - Bottom Layer" at 21.461,71.997 h1
  text "2" at -3.117,69.927 h1
  text "23,62mil (0,600mm)" at 1.78,69.927 h1
  text "PTH" at 11.345,69.927 h1
  text "Slot" at 15.465,69.927 h1
  text "Top Copper - Bottom Layer" at 21.461,69.927 h1
  text "2" at -3.117,67.856 h1
  text "23,62mil (0,600mm)" at 1.78,67.856 h1
  text "PTH" at 11.345,67.856 h1
  text "Slot" at 15.465,67.856 h1
  text "Top Copper - Bottom Layer" at 21.461,67.856 h1
  text "2" at -3.117,65.786 h1
  text "33,86mil (0,860mm)" at 1.78,65.786 h1
  text "PTH" at 11.345,65.786 h1
  text "Round" at 15.465,65.786 h1
  text "Top Copper - Bottom Layer" at 21.461,65.786 h1
  text "2" at -3.117,63.716 h1
  text "41,34mil (1,050mm)" at 1.78,63.716 h1
  text "PTH" at 11.345,63.716 h1
  text "Slot" at 15.465,63.716 h1
  text "Top Copper - Bottom Layer" at 21.461,63.716 h1
  text "1" at -3.117,61.646 h1
  text "41,34mil (1,050mm)" at 1.78,61.646 h1
  text "PTH" at 11.345,61.646 h1
  text "Slot" at 15.465,61.646 h1
  text "Top Copper - Bottom Layer" at 21.461,61.646 h1
  text "1" at -3.117,59.575 h1
  text "70,87mil (1,800mm)" at 1.78,59.575 h1
  text "NPTH" at 11.345,59.575 h1
  text "Round" at 15.465,59.575 h1
  text "Top Copper - Bottom Layer" at 21.461,59.575 h1
  text "2" at -3.117,57.505 h1
  text "78,74mil (2,000mm)" at 1.78,57.505 h1
  text "NPTH" at 11.345,57.505 h1
  text "Round" at 15.465,57.505 h1
  text "Top Copper - Bottom Layer" at 21.461,57.505 h1
  text "4" at -3.117,55.435 h1
  text "108,27mil (2,750mm)" at 1.78,55.435 h1
  text "PTH" at 11.345,55.435 h1
  text "Round" at 15.465,55.435 h1
  text "Top Copper - Bottom Layer" at 21.461,55.435 h1
  text "4" at -3.117,53.364 h1
  text "118,11mil (3,000mm)" at 1.78,53.364 h1
  text "PTH" at 11.345,53.364 h1
  text "Round" at 15.465,53.364 h1
  text "Top Copper - Bottom Layer" at 21.461,53.364 h1
  text "464 Total" at -3.117,51.294 h1
  text "Slot definitions :" at -7.809,49.845 h1
  text "Routed Path Length" at -0.992,49.845 h1
  text "= Calculated from tool start centre position to tool end centre position." at 7.453,49.845 h1
  text "Hole Length" at -0.992,49.017 h1
  text "= Routed Path Length + Tool Size = Slot length as defined in the PCB layout" at 4.319,49.017 h1

## Text inside footprints (layer, text, board x,y; h text height)
J2: Top Overlay "5V" at 1.964,17.982 h3; Top Overlay "+" at 8,20.8 h3; Top Overlay "-" at 0.7,21.1 h3
J3: Bottom Overlay "1" at 0.371,18.763 h1 r270; Bottom Overlay "9" at 0.4,25.9 h1 r270
J4: Bottom Overlay "1" at 25.029,39.037 h1 r90; Bottom Overlay "9" at 25,31.9 h1 r90
J5: Bottom Overlay "1" at 18.229,39.037 h1 r90; Bottom Overlay "9" at 18.2,31.9 h1 r90
J6: Top Overlay "26" at 54.945,27 h1.52 r90; Top Overlay "1" at 54.895,11.9 h1.52 r90
J8: Top Overlay "26" at 32.52,34.948 h1.52 r180; Top Overlay "1" at 47.62,34.898 h1.52 r180
J9: Top Overlay "26" at 46.52,5.052 h1.52; Top Overlay "1" at 31.42,5.102 h1.52
MISC1: Top Assembly "BW1099 Module" at 29.93,20.254 h2
U61: Assembly Notes "Based on 0.125 thick stencil" at 11.995,9.2 h0.5 r270